# Altium PCB HYDRA_V3_RECOVERY.PcbDoc (part 2 of 2)
Units mm, origin at the board's own origin, x right, y up, seen from the top; angles counter-clockwise.
Board outline 50 x 45 mm, 4 copper layers (Top Layer, PWR, GND, Bottom Layer), stack 0.603 mm thick; 121 components, 86 nets, 492 pads, 118 vias.
Unrouted connection lines stored in the file: 15.
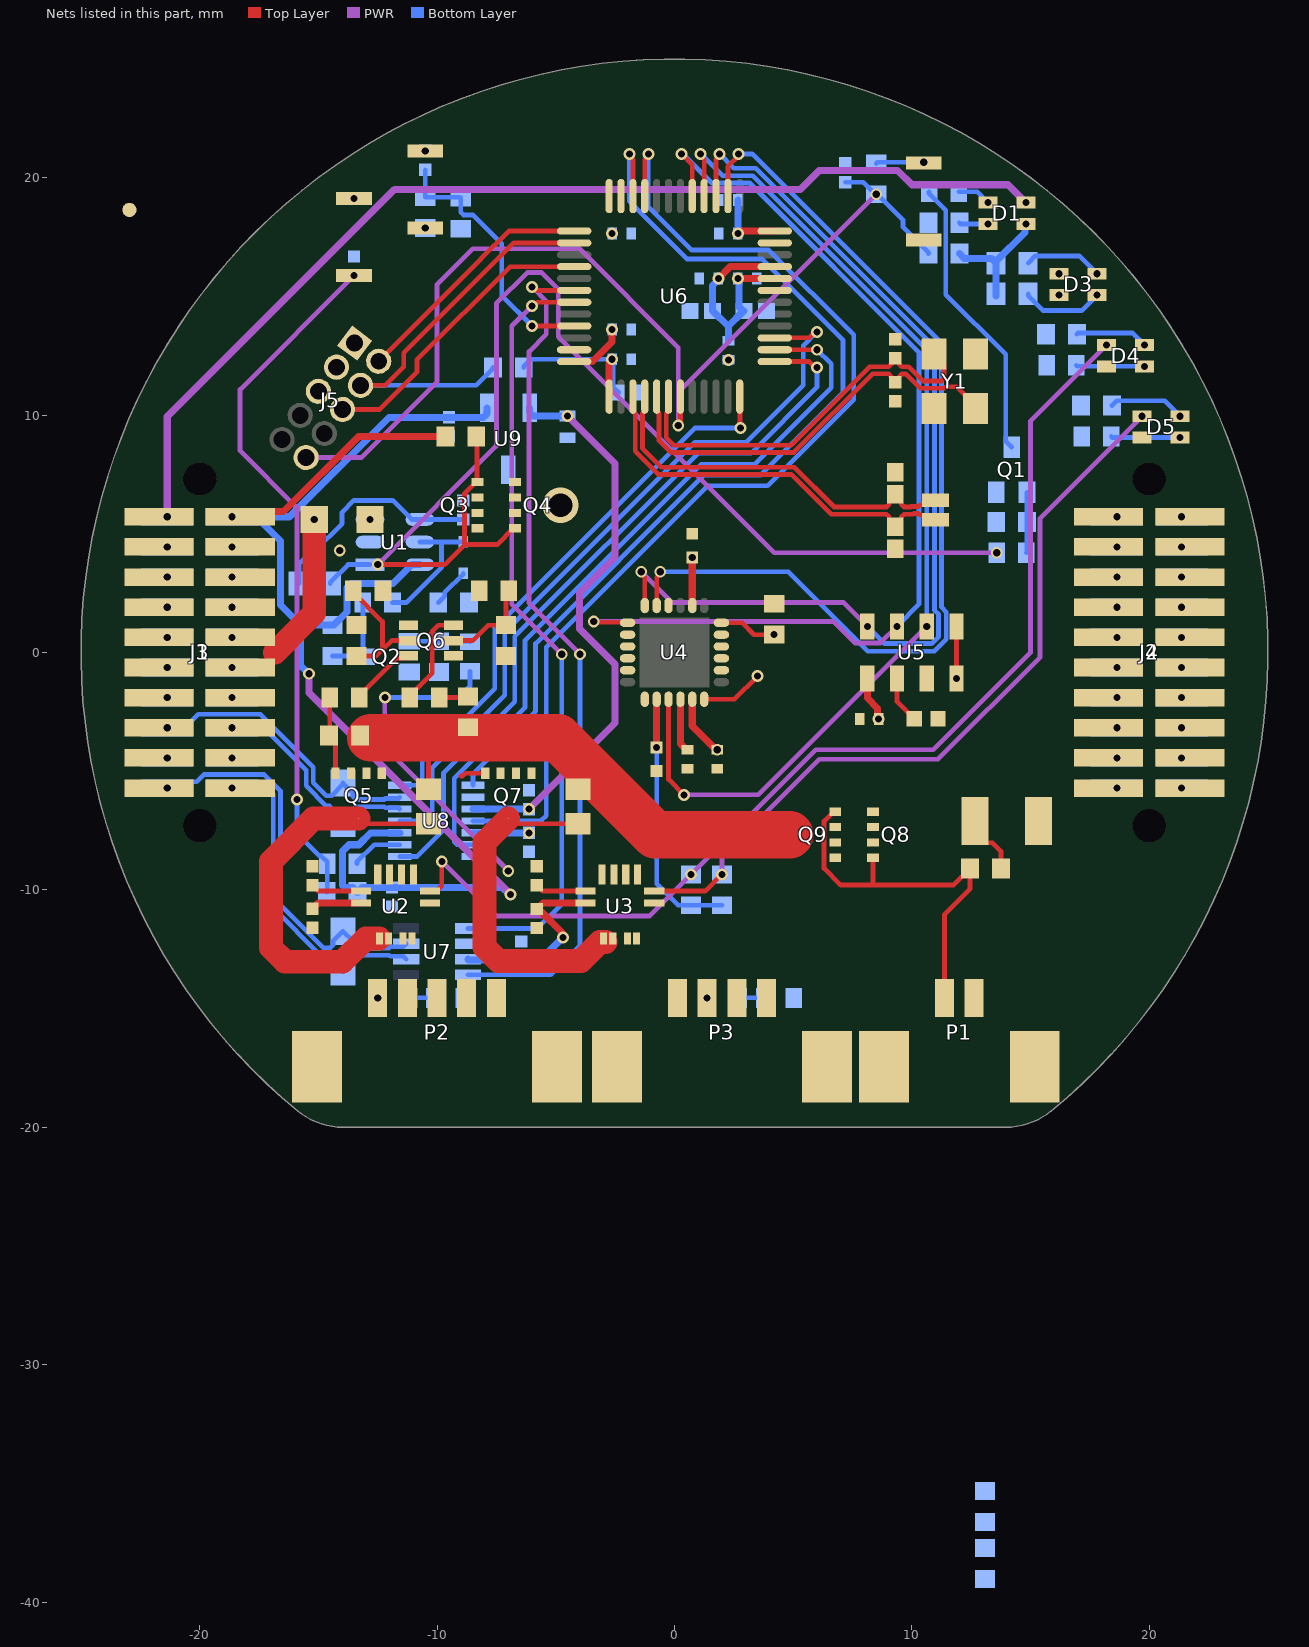
[diagram p4: the nets of this part, all layers, seen from the top]

## Part data (continued)
R38 R40: library part CMP-2000-00213-2, "Chip Resistor, 120 Ohm, +/- 1%, 0.1 W, -55 to 155 degC, 0603 (1608 Metric), RoHS, Tape and Reel", Case Code (Imperial)=0603, Case Code (Metric)=1608, Manufacturer=Panasonic, Max Operating Temperature=155degC, Max Power Dissipation=100mW, Min Operating Temperature=-55degC, Package Description="2-Pin Surface Mount Device, Body 1.6 x 0.85 mm", Package Quantity=1, Resistance=120Ohm, Temperature Coefficient=100ppm/degreesC, Tolerance=1%, Voltage Rating=75V, Case/Package=0603, Composition=ThickFilm, Contact Plating=Tin, Datasheet URL=https://industrial.panasonic.com/cdbs/www-data/pdf/RDA0000/AOA0000C283.pdf, Datasheet Version=42095.0, Depth=0.8mm, Height=0.022inch, Lead Free=LeadFree, Length=1.6mm, Manufacturer URL=http://www.panasonic.com/, Military Standard=Not, Mount=SurfaceMount, Number of Pins=2, Number of Terminations=2, Package Reference=0603, Package URL=http://www.st.com/st-web-ui/static/active/en/resource/technical/document/datasheet/CD00001320.pdf, Packaging=TapeandReel, Power Rating=100mW, Radiation Hardening=No, REACH SVHC=NoSVHC, RoHSCompliant=true, Termination=SMD/SMT, Voltage Rating (DC)=75V, Width=0.031inch
R39 R41: library part CMP-2000-00572-1, Manufacturer=Panasonic, Part Number=ERJ3EKF56R0V
SW1 SW2 SW3: library part CMP-10040-000029-1, "SWITCH TACTILE SPST-NO 0.02A 15V", Current Rating=5A, Flammability Rating="UL94 V-0", Insulation Color=Black, Max Operating Temperature=85°C, Min Operating Temperature=-40°C, Operating Force=240gf, Actuator Type=Standard, Connector Type=USB, Contact Plating=Gold, Gender=Receptacle, Illumination Type=Non-Illuminated, Mechanical Life=500000Cycles, Mount="Surface Mount", Number Of Contacts=24, Number of Ports=1, Packaging="Tape and Reel", Switch Function=Off-Mom, Switch Travel=0.13mm, Termination=Solder, Throw Configuration=SPST
TP1: library part CMP-00025-2, "Test Point .6mm"
U1: library part CMP-04896-000098-1, "40V, RAIL-TO-RAIL INPUT, PUSH-PU"
U2 U3: library part CMP-1557-00001-1, "Hall Effect Linear Current Sensor with Overcurrent Fault Output for <100 V Isolation Applications, 3 to 5.5 V, -15.5 to 15.5 A IP, -40 to 125 degC, 12-Pin QFN (EX), RoHS, Tape and Reel", Temperature Max="125 degC", Temperature Min="-40 degC", -3dB Bandwidth="0.1 MHz", ComponentLink1Description="Manufacturer URL", ComponentLink1URL=http://www.allegromicro.com/, ComponentLink2Description=Datasheet, ComponentLink2URL=http://www.allegromicro.com/~/media/Files/Datasheets/ACS711-Datasheet.ashx?la=en, ComponentLink3Description="Package Specification", ComponentLink3URL=http://www.allegromicro.com/~/media/Files/Datasheets/ACS711-Datasheet.ashx?la=en, DatasheetVersion="Rev. 3", IP Max="15.5 A", IP Min="-15.5 A", Mounting Technology="Surface Mount", PackageDescription="12-Pin Quad Flat No-Lead, Body 3 x 3 mm, Height 0.8 mm", Packing="Tape and Reel", PartNumber=ACS711KEXLT-15AB-T, RoHS=TRUE, VCC Max="5.5 V", VCC Min="3 V"
U4: library part CMP-010-00029-2, "6-axis IMU with extended temperature range and high VRE performance"
U5: library part CMP-2000-05251-1, "Barometric Pressure Sensor, with Stainless Steel Cap, 1.8 to 3.6 V, -45 to 85 degC, 8-Pin QFN, RoHS, Tape and Reel", Manufacturer="Measurement Specialties", Operating Pressure Max=1200mbar, Operating Pressure Min=10mbar, Operating Temperature Max=85degC, Operating Temperature Min=-40degC, Package Description="8-Pin Surface Mount Device, Body 5 x 3 mm, Pitch 1.25 mm", Package Reference=MS561101BA03-50-8, Sensor Case Style=QFN, Supply Current=12.5µA, Supply Voltage Max=3.6V, Supply Voltage Min=1.8V, Connection Size=0.5mm, Datasheet URL=http://www.te.com/commerce/DocumentDelivery/DDEController?Action=srchrtrv&DocNm=MS5611-01BA03&DocType=Data+Sheet&DocLang=English&DocFormat=pdf&PartCntxt=CAT-BLPS0036, Datasheet Version=Sep-15, Manufacturer URL=http://www.meas-spec.com/, No. of Pins=8, Pressure Type=Barometric, SVHC=NoSVHC(20-Jun-2013)
U6: library part CMP-020-00018-2, "RISC Microcontroller, 32-Bit, 170MHz", RoHS Compliant=Yes
U7: library part CMP-04872-000178-1, "IC TRANSCEIVER 1/1 SOT23-8", Case/Package=SOT-23-8, Max Operating Temperature=125°C, Min Operating Temperature=-40°C, Data Rate=1Mbps, Lead Free="Lead Free", Mount="Surface Mount", Packaging="Tape and Reel", RoHS Compliant=Yes
U8: library part CMP-318-000000-2, "Automotive CAN FD transceiver with watchdog, bus diagnostics and partial networking via sele 14-SOT-23-THIN -40 to 150", Component Type=Standard, Design Item ID=CMP-015-00012-2, Pin Count=14, Source=TCAN1146DYYRQ1.SchLib
U9: library part CMP-019-00041-1, "Ldo Cmos Lowcurr SOT23 T&r 3K"
Y1: library part CMP-27762-011708-1, "Crystal 48MHz ±20ppm 18pF SMD-4 3.2mm x 2.5mm", Case/Package=CSMD, ESR (Equivalent Series Resistance)=35R, Frequency=48MHz, Frequency Stability=50ppm, Frequency Tolerance=20ppm, Load Capacitance=18pF, Max Operating Temperature=70°C, Min Operating Temperature=-20°C, Operating Frequency="48 MHz", Package Quantity=1000, Resistor Type=Ceramic, Depth=2.5mm, Height=0.031inch, Lead Free="Lead Free", Length=3.2mm, Mount="Surface Mount", Number of Pins=4, Packaging="Tape and Reel", Radiation Hardening=No, REACH SVHC="No SVHC", RoHS Compliant=Yes, Series=ABM8, Series Resistance=35R, Termination=SMD/SMT, Tolerance=20ppm, Width=0.098inch
Y2: library part CMP-40224-000006-1, "CRYSTAL 32.7680KHZ 12.5PF SMD", Frequency=32.768kHz, Load Capacitance=12.5pF, Manufacturer="ECS International", Package=ECX-1210, Temperature="-40°C to +85°C", Temperature Range High=+85°C, Temperature Range Low=-40°C, Tolerance=20ppm, Automotive=No, Category=Crys, ComponentLink2Description=Datasheet, ComponentLink2URL=https://ecsxtal.com/store/pdf/ECX-1210.pdf, Device Class L1="Passive Components", Device Class L2="Crystals / Oscillators", Device Class L3=Crystals, Digikey Description="CRYSTAL 32.7680KHZ 12.5PF SMD", Esr=90kΩ, Height=0.5mm, Lead Free=Yes, Manufacturer Part Number=ECS-.327-12.5-1210-TR, Octopart=https://octopart.com/ecs-.327-12.5-1210-tr-ecs+international-81221340, RoHS=TRUE, Series=ECX-1210

## Via types
v1: diameter 0.5, hole 0.3, Top Layer to Bottom Layer, 116 vias
v2: diameter 1.5, hole 1, Top Layer to Bottom Layer, 1 vias
v3: diameter 0.5, hole 0.2, Top Layer to Bottom Layer, 1 vias

## Nets (pads, with @x,y where several pads share a name; then routed paths per layer and width w, separated by ;. In a path a pad name is that pad's centre, name@x,y a point inside that pad or via, vN(x,y) a via of type N, cw(c..) or ccw(c..) an arc to the next point about the centre after c; other vN are vias at no path point)
3V3: C3.2 C5.2 C6.1 C7.1 C8.2 C10.2 C11.1 C12.2 C13.2 C14.2 C17.1 C18.2 C21.2 C23.2 C32.2 D1.2 FB1.1 J5.01 Q4.5-6-7-8 R21.2 R29.2 R32.1 R33.1 R34.2 R37.1 R39.2 R41.2 R49.1 SW2.2 U2.12 U3.12 U4.8 U4.11 U4.20 U5.1 U6.1 U6.24 U6.36 U6.48 U7.3 U8.5 | length 47.9
  Top Layer w0.3: C3.2@-15.25,-10.8 -15.002,-10.552 U2.12@-13.2,-10.552 ; v1(-4.7,-12) -4.738,-11.962 -4.738,-11.796 -5.614,-10.92 -5.69,-10.92 C5.2@-5.8,-10.81 -5.542,-10.552 U3.12@-3.75,-10.552 ; U6.48@-4.225,12.25 -3.45,12.25 -2.625,13.075 v1(-2.625,13.6) ; U6.1@-2.75,10.775 -2.75,12.171 -2.625,12.296 v1(-2.625,12.35) ; v1(-0.75,-4) U4.8@-0.75,-1.975 ; U4.11@0.75,-1.975 0.75,-3.1 1.75,-4.1 v1(1.8,-4.1) ; U4.20@0.75,1.975 v1(0.75,4) ; v1(2.675,17.65) 2.729,17.65 2.829,17.75 U6.24@4.225,17.75 ; U5.1@8.125,-1.1 8.125,-1.925 8.557,-2.357 8.557,-2.757 v1(8.6,-2.8)
  Bottom Layer w0.2: R37.1@-6.35,12 -6.35,12.05 -6.05,12.35 v1(-2.625,12.35) ; v1(-0.75,-4) -0.75,-9.75 0.15,-10.65 R21.2@0.7,-10.65 R29.2@2,-10.65
  Bottom Layer w0.3: U7.3@-8.7,-12.925 -8.675,-12.95 -6.472,-12.95 C21.2@-6.447,-12.975 -5.675,-12.975 v1(-4.7,-12) ; U8.5@-8.482,-7.6 v1(-6.125,-7.6) ; v1(-2.625,12.35) -2.625,11.15 -2.425,10.95 C17.1@-2.404,10.95 ; v1(2.675,17.65) C11.1@2.675,19.05 ; R49.1@12,16.8 12.2,16.6 13.35,16.6 R41.2@13.55,16.4 ; R39.2@13.55,15.025 R39.2@13.55,15.1 R41.2@13.55,16.4 ; v1(14.8,18.05) 14.762,18.012 14.762,17.687 13.55,16.475 R41.2@13.55,16.4
  other v1: 2.275,12.325 -2.625,17.65 -10.5,21.125
  other v2: -4.8,6.2
3V3_CUTOFF_MOSFET: Q3.4 Q4.4 R6.2 R12.1 R13.2 U1.1 | length 54.1
  Top Layer w0.2: v1(-12.5,3.7) -9.683,3.7 -8.841,4.541 ; R13.2@-8.35,9.1 -8.32,9.07 -8.32,7.2 Q3.4@-8.295,7.175 ; Q3.4@-8.29,7.175 Q3.4@-8.295,7.175 ; Q4.4@-6.71,5.225 -6.785,5.225 -7.469,4.541 -8.841,4.541 ; -8.841,4.541 -8.841,6.699 -8.365,7.175 Q3.4@-8.295,7.175
  PWR w0.2: v1(-12.5,3.7) -7.5,8.7 -7.5,14.7 -6.2,16 -5.6,16 -4.9,15.3 -4.9,13.3 4.2,4.2 v1(13.575,4.2)
  Bottom Layer w0.2: R12.1@-14.5,2.9 -14.5,2.95 -13.75,3.7 U1.1@-12.825,3.7
3V3_POST_SHUNT: Q3.5-6-7-8 R10.2 U1.3
  other v1: -12.825,5.6
3V3_PRE_SHUNT: J1.09 J1.10 J1.11 J1.12 J3.09 J3.10 J3.11 J3.12 R10.1 R11.2 | length 6.3
  Top Layer w1: -16.825,0 -15.175,1.65 v1(-15.175,5.6)
  other v1: -21.365,-0.635 -18.635,-0.635 -21.365,0.635 -18.635,0.635
5V_INT: C22.2 C27.1 R44.2 U8.3 U9.2 | length 24.3
  PWR w0.3: v1(-6.125,-6.6) -2.5,-2.975 -2.5,-0.5 -4,1 -4,2.5 -2.5,4 -2.5,7.962 v1(-4.5,9.962)
  Bottom Layer w0.3: U8.3@-8.482,-6.6 v1(-6.125,-6.6) ; U9.2@-6.1,10.3 -6.1,10.112 -5.95,9.962 v1(-4.5,9.962)
BARO_MISO: U4.9 U5.6 U6.28 | length 43.9
  Top Layer w0.2: U4.9@-0.25,-1.975 -0.25,-5.35 v1(0.4,-6) ; v1(1.1,21) 1.1,20.919 1.25,20.769 U6.28@1.25,19.225
  PWR w0.2: v1(0.4,-6) 3.525,-6 v1(10.625,1.1)
  Bottom Layer w0.2: v1(1.1,21) 2.025,20.075 3.3,20.075 4.623,18.752 4.625,18.752 10.625,12.752 v1(10.625,1.1)
BARO_MOSI: U4.1 U5.7 U6.29 | length 42.2
  Top Layer w0.2: v1(-3.4,1.3) -3.375,1.275 -2,1.275 U4.1@-1.975,1.25 ; v1(0.3,21) 0.75,20.55 U6.29@0.75,19.225
  PWR w0.2: v1(-3.4,1.3) 6.7,1.3 7.6,0.4 8.675,0.4 v1(9.375,1.1)
  Bottom Layer w0.2: v1(0.3,21) 0.35,21 1.577,19.773 3.175,19.773 10.3,12.648 10.3,2.025 v1(9.375,1.1)
BARO_nCS: U5.4 U5.5 | length 2.2
  Top Layer w0.2: v1(11.875,-1.1) U5.5@11.875,1.1
BARO_SCLK: U4.24 U5.8 U6.27 | length 41.9
  Top Layer w0.2: v1(-1.4,3.4) -1.4,3.319 -1.25,3.169 U4.24@-1.25,1.975 ; U6.27@1.75,19.225 1.75,20.769 1.9,20.919 v1(1.9,21)
  PWR w0.2: v1(-1.4,3.4) -0.1,2.1 7.125,2.1 v1(8.125,1.1)
  Bottom Layer w0.2: v1(1.9,21) 2.5,20.4 3.425,20.4 10.948,12.877 10.948,1.775 11.125,1.598 11.125,0.669 10.831,0.375 8.85,0.375 v1(8.125,1.1)
BOOT: C32.1 R46.1 R48.2 U6.45 | length 11.3
  Top Layer w0.2: v1(-6,13.75) U6.45@-4.225,13.75
  Bottom Layer w0.2: C32.1@-10.5,20.325 R46.1@-10.5,19.175 -9.025,19.175 R48.2@-9,19.15 -9,18.544 -8.883,18.427 -8.491,18.427 -7.274,17.21 -7.274,15.024 v1(-6,13.75)
CAN0_N: J1.16 J3.16 R40.2 U8.12 | length 9.7
  Bottom Layer w0.2: v1(-18.635,-3.175) -18.589,-3.129 -17.659,-3.129 -17.342,-3.129 -15.515,-4.956 -15.515,-5.615 -14.659,-6.471 -14.534,-6.471 -14.387,-6.618 -14.387,-6.775 R40.2@-13.962,-7.2 -13.537,-6.775 -13.537,-6.618 -13.42,-6.501 -12.911,-6.501 ; -12.911,-6.501 -12.233,-6.501 -12.186,-6.547 -11.62,-6.547 U8.12@-11.568,-6.6
CAN0_P: J1.15 J3.15 R40.1 U8.13 | length 12.5
  Bottom Layer w0.2: v1(-21.365,-3.175) -21.095,-2.905 -20.355,-2.905 -20.053,-2.603 -17.441,-2.603 -15.214,-4.831 -15.214,-5.49 -14.67,-6.034 -14.446,-6.034 -13.962,-5.55 R40.1@-13.962,-5.5 -13.537,-5.925 -13.537,-6.082 -13.42,-6.199 -13.036,-6.199 -12.233,-6.199 -12.186,-6.152 -11.62,-6.152 U8.13@-11.568,-6.1
CAN1_N: J1.20 J3.20 R38.1 U7.6 | length 14.1
  Bottom Layer w0.2: v1(-18.635,-5.715) -18.434,-5.514 -17.342,-5.514 -16.902,-5.955 -16.902,-10.762 -14.912,-12.751 -14.505,-12.751 -14.387,-12.868 -14.387,-13.025 R38.1@-13.962,-13.45 -13.537,-13.025 -13.537,-12.868 -13.42,-12.751 -12.806,-12.751 -12.023,-12.751 -11.974,-12.8 -11.425,-12.8 U7.6@-11.3,-12.925
CAN1_P: J1.19 J3.19 R38.2 U7.7 | length 17
  Bottom Layer w0.2: v1(-21.365,-5.715) -21.095,-5.445 -20.13,-5.445 -19.829,-5.143 -17.286,-5.143 -16.6,-5.83 -16.6,-10.637 -14.787,-12.449 -14.505,-12.449 -14.387,-12.332 -14.387,-12.175 R38.2@-13.962,-11.75 -13.537,-12.175 -13.537,-12.332 -13.42,-12.449 -12.931,-12.449 -12.023,-12.449 -11.974,-12.4 -11.425,-12.4 U7.7@-11.3,-12.275
CAN1_RX: U6.33 U8.4 | length 45.2
  Top Layer w0.2: U6.33@-1.25,19.225 -1.25,20.769 -1.1,20.919 v1(-1.1,21)
  Bottom Layer w0.2: U8.4@-8.482,-7.1 -5.625,-7.1 -5.4,-6.875 -5.4,0.225 1.4,7.025 3.925,7.025 7.55,10.65 7.55,13.375 3.975,16.95 0.725,16.95 -1.1,18.775 v1(-1.1,21)
CAN1_TX: U6.34 U8.1 | length 41.9
  Top Layer w0.2: v1(-1.9,21) -1.9,20.919 -1.75,20.769 U6.34@-1.75,19.225
  Bottom Layer w0.2: U8.1@-8.482,-5.6 -8.482,-5.107 -5.85,-2.475 -5.85,0.375 1.25,7.475 3.625,7.475 7.1,10.95 7.1,13.15 3.675,16.575 0.525,16.575 -1.9,19 v1(-1.9,21)
CAN2_RX: U6.42 U7.4 | length 36.2
  Top Layer w0.2: v1(-6,15.4) -5.919,15.4 -5.769,15.25 U6.42@-4.225,15.25
  PWR w0.2: v1(-6,15.4) -5.4,14.8 -5.4,13.4 -6.125,12.675 -6.125,2.075 v1(-3.975,-0.075)
  Bottom Layer w0.2: U7.4@-8.7,-13.575 -5.218,-13.575 -3.975,-12.332 v1@-3.975,-0.1
CAN2_TX: U6.43 U7.1 | length 32.6
  Top Layer w0.2: v1(-6,14.6) -5.919,14.6 -5.769,14.75 U6.43@-4.225,14.75
  PWR w0.2: v1(-6,14.6) -6.85,13.75 -6.85,2.025 v1(-4.75,-0.075)
  Bottom Layer w0.2: U7.1@-8.7,-11.625 -5.775,-11.625 -4.75,-10.6 v1(-4.75,-0.075)
CAN_INH: R5.2 U8.7 | length 15.6
  PWR w0.2: v1(-12.2,-1.9) -12.2,-4 v1(-7,-9.2)
  Bottom Layer w0.2: v1(-12.2,-1.9) -9.1,-1.9 -8.615,-1.415 R5.2@-8.615,-0.8 ; U8.7@-8.482,-8.6 -7.6,-8.6 v1(-7,-9.2)
CAN_MISO: U6.14 U8.6 | length 31.5
  Top Layer w0.2: U6.14@4.225,12.75 v1(6,12.75)
  Bottom Layer w0.2: U8.6@-8.482,-8.1 -9.158,-8.1 -9.275,-7.983 -9.275,-5.3 -6.3,-2.325 -6.3,0.5 1.125,7.925 3.375,7.925 6.6,11.15 6.6,12.15 v1(6,12.75)
CAN_MOSI: U6.15 U8.11 | length 31.6
  Top Layer w0.2: U6.15@4.225,13.25 5.669,13.25 5.919,13.5 v1(6,13.5)
  Bottom Layer w0.2: U8.11@-11.568,-7.1 -10.625,-7.1 -10.2,-6.675 -10.2,-4.85 -7.15,-1.8 -7.15,0.85 0.85,8.85 3.025,8.85 5.425,11.25 5.425,12.925 v1(6,13.5)
CAN_nCS: U6.12 U8.14 | length 23.9
  Top Layer w0.2: U6.12@2.75,10.775 2.762,10.762 2.762,9.463 v1(2.775,9.45)
  Bottom Layer w0.2: U8.14@-11.568,-5.6 -10.742,-5.6 -10.625,-5.482 -10.625,-4.575 -7.575,-1.525 -7.575,1.025 0.85,9.45 v1(2.775,9.45)
CAN_SCLK: U6.13 U8.8 | length 31.5
  Top Layer w0.2: U6.13@4.225,12.25 5.669,12.25 5.919,12 v1(6,12)
  Bottom Layer w0.2: U8.8@-11.568,-8.6 -10.85,-8.6 -9.725,-7.475 -9.725,-5.075 -6.725,-2.075 -6.725,0.675 1,8.4 3.225,8.4 6,11.175 v1(6,12)
DROGUE_I_SENSE: C4.2 U3.11 | length 2.2
  Top Layer w0.2: C4.2@-5.8,-9.81 -5.558,-10.052 U3.11@-3.75,-10.052
DROGUE_MATCH: P3.1 P3.2 R22.2 U3.3 U3.4
  other v1: 1.375,-14.55
DROGUE_nFAULT: D5.4 R29.1 U3.6 | length 32.9
  Top Layer w0.2: U3.6@-0.85,-10.052 1.298,-10.052 v1(2,-9.35) v1@2.108,-9.242
  PWR w0.2: v1(2,-9.35) 2,-8.6 6.1,-4.5 11.1,-4.5 15.4,-0.2 15.4,5.65 v1(19.7,9.95)
DROGUE_SENSE: R22.1 R25.2 | length 1.1
  Bottom Layer w0.2: R22.1@2.675,-14.55 3.75,-14.55 R25.2@3.8,-14.5
DROGUE_TRIG: R27.1 R31.1
GND: C1.2 C2.1 C3.1 C4.1 C5.1 C6.2 C7.2 C8.1 C9.1 C10.1 C11.2 C12.1 C13.1 C14.1 C15.2 C16.1 C17.2 C18.1 C19.2 C20.1 C21.1 C22.1 C23.1 C24.1 C25.1 C26.2 C27.2 C28.2 C29.2 C30.2 C31.1 C33.2 D4.1 D5.1 J1.07 J1.08 J1.13 J1.14 J1.17 J1.18 J2.01 J2.02 J2.03 J2.04 J2.05 J2.06 J2.07 J2.08 J2.09 J2.10 J2.11 J2.12 J3.07 J3.08 J3.13 J3.14 J3.17 J3.18 J4.01 J4.02 J4.03 J4.04 J4.05 J4.06 J4.07 J4.08 J4.09 J4.10 J4.11 J4.12 J5.03 J5.05 P1.2 P1.MP1 P1.MP2 P2.3 P2.4 P2.5 P2.MP1 P2.MP2 P3.3 P3.4 P3.MP1 P3.MP2 Q1.2 Q2.2 Q6.1 Q6.4 R1.2 R7.1 R8.1 R9.1 R17.1 R20.1 R25.1 R28.1 R35.1 R45.2 R48.1 SW1.2 SW3.2 U1.2 U2.5 U2.7 U2.8 U2.9 U2.10 U3.5 U3.7 U3.8 U3.9 U3.10 U4.2 U4.3 U4.4 U4.5 U4.7 U4.14 U4.15 U4.16 U4.17 U4.22 U5.3 U6.19 U6.23 U6.35 U6.47 U7.2 U8.2 U9.3 Y1.2 Y1.4
  other v1: -21.365,-4.445 -18.635,-4.445 -21.365,-1.905 -18.635,-1.905 18.635,-0.635 21.365,-0.635 18.635,0.635 21.365,0.635 -21.365,1.905 -18.635,1.905 18.635,1.905 21.365,1.905 18.635,3.175 21.365,3.175 -14.1,4.3 18.635,4.445 21.365,4.445 18.635,5.715 21.365,5.715 -13.5,19.125
IMU_nCS: U4.23 U6.26 | length 41.5
  Top Layer w0.2: U4.23@-0.75,1.975 -0.75,3.169 -0.6,3.319 v1(-0.6,3.4) ; U6.26@2.25,19.225 2.25,20.469 2.7,20.919 v1(2.7,21)
  Bottom Layer w0.2: v1(-0.6,3.4) 4.8,3.4 8.15,0.05 10.95,0.05 11.45,0.55 11.45,1.7 11.25,1.9 11.25,13.025 3.275,21 v1(2.7,21)
IMU_nRESET: R34.1 U4.18 | length 2.4
  Top Layer w0.2: U4.18@1.975,1.25 2.85,1.25 3.35,0.75 v1(4.2,0.75)
IMU_ODR: U4.12 | length 2.7
  Top Layer w0.2: U4.12@1.25,-1.975 2.525,-1.975 v1(3.5,-1)
INT_5V_SENSE: R44.1 R45.1
MAIN_I_SENSE: C2.2 U2.11 | length 2.2
  Top Layer w0.2: C2.2@-15.25,-9.8 -14.998,-10.052 U2.11@-13.2,-10.052
MAIN_MATCH: P2.1 P2.2 R14.2 U2.3 U2.4
  other v1: -12.5,-14.55
MAIN_nFAULT: D4.4 R21.1 U2.6 | length 46.2
  Top Layer w0.2: U2.6@-10.3,-10.052 -10.025,-10.052 -9.8,-9.827 v1(-9.8,-8.8)
  PWR w0.2: v1(-9.8,-8.8) -7.5,-11.1 -1.05,-11.1 5.95,-4.1 10.9,-4.1 15,0 15,9.75 v1(18.2,12.95)
  other v1: 0.7,-9.35
MAIN_SENSE: R14.1 R17.2 | length 1.1
  Bottom Layer w0.2: R14.1@-11.2,-14.55 R17.2@-10.125,-14.55
MAIN_TRIG: R19.1 R30.1
MCU_G_LED: D3.1
  other v1: 16.2,15.05
MCU_R_LED: D3.4
  other v1: 16.2,15.95
nARM_PYRO: P1.1 Q8.4 Q9.4 R36.2 | length 16.4
  Top Layer w0.2: Q9.4@6.775,-6.705 6.7,-6.705 6.3,-7.105 6.3,-9.1 7,-9.8 8.4,-9.8 ; Q8.4@8.365,-8.655 8.365,-9.765 8.4,-9.8 ; P1.1@11.375,-14.55 11.375,-11.025 12.45,-9.95 R36.2@12.45,-9.15 ; R36.2@12.45,-9.1 R36.2@12.45,-9.15 ; 8.4,-9.8 11.75,-9.8 12.125,-9.425 12.175,-9.425 R36.2@12.45,-9.15
NetC1_1: C1.1 R11.1 R12.2 U1.4 | length 9.4
  Bottom Layer w0.2: R12.2@-15.8,2.9 -15.8,3.725 -15.225,4.3 R11.1@-15.175,4.3 -15.125,4.3 -14,5.425 -14,5.9 -13.5,6.4 -11.862,6.4 -11.062,5.6 U1.4@-10.724,5.6 C1.1@-8.9,5.6
NetC9_2: C9.2 U4.10 | length 2.3
  Top Layer w0.3: U4.10@0.25,-1.975 0.25,-3.85 0.5,-4.1 C9.2@0.55,-4.1
NetC25_2: C25.2 R42.2 R43.2 SW1.1 TP1.1 | length 29.5
  PWR w0.2: v1(-15.9,-6.2) -15.9,6.1 -18.3,8.5 -18.3,11.075 v1(-13.5,15.875)
  Bottom Layer w0.2: v1(-15.9,-6.2) -15.9,-7.625 -14.95,-8.575 -14.875,-8.575 -14.625,-8.825 -14.625,-10.075 R42.2@-14.65,-10.1
NetD1_1: D1.1 R1.1 | length 1.2
  Bottom Layer w0.2: R1.1@12,18.1 12.05,18.05 v1(13.2,18.05)
NetD1_4: D1.4 R4.2 | length 1.4
  Bottom Layer w0.2: R4.2@11.975,19.4 12.75,19.4 v1(13.2,18.95)
NetD2_2: D2.2 R9.2 | length 1.7
  Bottom Layer w0.2: R9.2@-9.95,2.1 -9.675,2.375 -9.675,2.525 -8.9,3.3 D2.2@-8.9,3.34
NetD3_2: D3.2 R39.1 | length 3.5
  Bottom Layer w0.2: R39.1@14.9,15.1 14.9,15.025 15.525,14.4 17.15,14.4 v1(17.8,15.05)
NetD3_3: D3.3 R41.1 | length 3.3
  Bottom Layer w0.2: R41.1@14.9,16.4 15.2,16.7 17.05,16.7 v1(17.8,15.95)
NetD4_2: D4.2 R30.2 | length 2.9
  Bottom Layer w0.2: R30.2@16.925,12.1 16.975,12.05 v1(19.8,12.05)
NetD4_3: D4.3 R32.2 | length 3.1
  Bottom Layer w0.2: R32.2@16.95,13.4 17,13.45 19.3,13.45 v1(19.8,12.95)
NetD5_2: D5.2 R31.2 | length 2.9
  Bottom Layer w0.2: R31.2@18.4,9.1 18.45,9.05 v1(21.3,9.05)
NetD5_3: D5.3 R33.2 | length 3.2
  Bottom Layer w0.2: R33.2@18.425,10.4 18.625,10.6 20.65,10.6 v1(21.3,9.95)
NetQ1_1: Q1.1 R6.1 R8.2 | length 2.6
  Bottom Layer w0.2: R6.1@14.825,4.2 14.85,4.225 Q1.1@14.85,6.75
NetQ1_3: Q1.3 R4.1 | length 12.2
  Bottom Layer w0.2: R4.1@10.725,19.4 10.725,19.325 11.423,18.627 11.423,15.077 13.95,12.55 13.95,8.9 Q1.3@14.2,8.65
NetQ2_1: Q2.1 R5.1 R7.2 | length 2.6
  Bottom Layer w0.2: Q2.1@-11.165,0.475 -8.64,0.475 R5.1@-8.615,0.45
NetQ2_3: Q2.3 R2.1 R3.1 | length 3.6
  Bottom Layer w0.2: R2.1@-14.4,-0.15 -13.09,-0.15 -13.125,-0.115 R3.1@-13.125,2.1
NetQ3_1: Q3.1 Q3.2 Q3.3 Q4.1 Q4.2 Q4.3
NetQ5_4: Q5.4 R15.2 R18.2 | length 3.3
  Top Layer w0.2: R15.2@-14.525,-1.9 -14.525,-3.475 R18.2@-14.55,-3.5 -14.275,-3.775 Q5.4@-14.275,-5.09
NetQ6_2: Q6.2 R19.2 R20.2 | length 4
  Top Layer w0.2: Q6.2@-9.3,0.5 -8.5,0.5 -7.85,1.15 R20.2@-7.1,1.15 -7.1,2.475 R19.2@-6.975,2.6
NetQ6_3: Q6.3 R23.1 | length 4.2
  Top Layer w0.2: R23.1@-11.15,-1.9 -11.15,-1.825 -10.2,-0.875 -10.2,0.9 -9.95,1.15 Q6.3@-9.3,1.15
NetQ6_5: Q6.5 R27.2 R28.2 | length 5.5
  Top Layer w0.2: R27.2@-13.525,2.6 -13.525,2.525 -12.3,1.3 -12.3,0.113 ; R28.2@-13.4,-0.15 -12.562,-0.15 -12.3,0.113 ; Q6.5@-11.2,0.5 -11.913,0.5 -12.3,0.113
NetQ6_6: Q6.6 R15.1 | length 2.8
  Top Layer w0.2: R15.1@-13.275,-1.9 -13.275,-1.825 -11.7,-0.25 -11.3,-0.25 Q6.6@-11.2,-0.15
NetQ7_4: Q7.4 R23.2 R26.2 | length 2.3
  Top Layer w0.2: R23.2@-9.875,-1.9 -8.75,-1.9 R26.2@-8.7,-1.85 ; -9,-5.2 -8.919,-5.2 -8.809,-5.09 Q7.4@-7.975,-5.09
NetQ8_1: Q8.1 Q8.2 Q8.3 Q9.1 Q9.2 Q9.3
NetR35_2: R35.2 U5.2 | length 2
  Top Layer w0.2: U5.2@9.375,-1.1 9.375,-2.075 R35.2@10.1,-2.8
NetR43_1: R43.1 U8.9 | length 2.2
  Bottom Layer w0.2: R43.1@-13.375,-8.9 -13.375,-8.825 -12.65,-8.1 U8.9@-11.568,-8.1
NetR46_2: R46.2 SW2.1
  other v1: -10.5,17.875
NetR47_2: R47.2 SW3.1 | length 2
  Bottom Layer w0.2: R47.2@8.5,20.6 8.55,20.65 v1(10.5,20.65)
NOT_USED: J1.03 J1.04 J1.05 J1.06 J3.03 J3.04 J3.05 J3.06
  other v1: -21.365,3.175 -18.635,3.175 -21.365,4.445 -18.635,4.445
PRE_DROGUE_MATCH: Q7.5-6-7-8 R24.2 U3.1 U3.2 | length 14.5
  Top Layer w0.2: Q7.5-6-7-8@-7,-7 -6.785,-7.215 R24.2@-4.062,-7.215
  Top Layer w1: Q7.5-6-7-8@-7,-7 -8,-8 -8,-12.414 -7.414,-13 -3.934,-13 -3.136,-12.202 U3.1@-2.9,-12.202
PRE_MAIN_MATCH: Q5.5-6-7-8 R16.2 U2.1 U2.2 | length 16.3
  Top Layer w0.2: -13.085,-7.215 R16.2@-10.363,-7.215
  Top Layer w0.3: Q5.5-6-7-8@-13.3,-7 -13.085,-7.215
  Top Layer w1: Q5.5-6-7-8@-13.3,-7 -15.2,-7 -17,-8.8 -17,-12.439 -16.414,-13.025 -13.975,-13.025 -12.998,-12.048 U2.1@-12.432,-12.048
PRE_PYRO_PWR: F1.1 J2.13 J2.14 J2.15 J2.16 J2.17 J2.18 J2.19 J2.20 J4.13 J4.14 J4.15 J4.16 J4.17 J4.18 J4.19 J4.20
  other v1: 18.635,-5.715 21.365,-5.715 18.635,-4.445 21.365,-4.445 18.635,-3.175 21.365,-3.175 18.635,-1.905 21.365,-1.905
PYRO_PWR: F1.2 Q8.5-6-7-8 R36.1 | length 2.6
  Top Layer w0.2: F1.2@12.666,-7.1 12.666,-7.545 13.138,-8.016 13.391,-8.016 13.75,-8.375 R36.1@13.75,-9.1
PYRO_PWR_SW: Q5.1 Q5.2 Q5.3 Q7.1 Q7.2 Q7.3 Q9.5-6-7-8 R16.1 R18.1 R24.1 R26.1 | length 22.3
  Top Layer w0.2: Q5.1@-12.325,-5.09 -12.325,-5.015 Q5.1@-12.25,-4.94 ; R16.1@-10.788,-5.415 -10.438,-5.765 R16.1@-10.363,-5.765 -10.363,-3.6
  Top Layer w2: -12.8,-3.6 -10.363,-3.6 -9.1,-3.6 -6.8,-3.6 -4.9,-3.6 -3.399,-5.101 -0.82,-7.68 Q9.5-6-7-8@4.865,-7.68
RESETN: C33.1 J5.10 R47.1 R49.2 U6.7 | length 44.7
  Top Layer w0.2: v1(0.159,9.566) 0.159,9.647 0.25,9.738 U6.7@0.25,10.775
  PWR w0.2: J5.10@-15.514,8.207 -13.193,8.207 -10,11.4 -10,15.5 -8.5,17 -4,17 0.159,12.841 0.159,10.959 ; v1(0.159,9.566) 0.159,10.959 ; v1(8.5,19.3) 0.159,10.959
  Bottom Layer w0.2: C33.1@7.2,19.8 7.95,19.8 8.45,19.3 v1(8.5,19.3) 8.55,19.3 9.625,18.225 9.625,17.925 10.7,16.85 R49.2@10.7,16.8
SHDN_3V3: D2.1 R3.2 U1.5 | length 5.6
  Bottom Layer w0.2: R3.2@-11.875,2.1 -11.3,2.1 -9.812,3.588 -9.812,4.655 ; U1.5@-10.724,4.65 -10.719,4.655 -9.812,4.655 ; D2.1@-8.9,4.66 -8.905,4.655 -9.812,4.655
SWCLK: J5.04 R37.2 U6.38 | length 17.7
  Top Layer w0.2: J5.04@-13.221,11.25 -12.175,11.25 -11.4,12.025 -11.4,12.625 -6.775,17.25 U6.38@-4.225,17.25
  Bottom Layer w0.2: J5.04@-13.221,11.25 -8.35,11.25 -7.65,11.95 R37.2@-7.65,12
SWDIO: J5.02 U6.37 | length 10.5
  Top Layer w0.2: J5.02@-12.457,12.264 -8.15,16.571 -8.15,16.575 -6.975,17.75 U6.37@-4.225,17.75
SWO: J5.06 U6.40 | length 12.6
  Top Layer w0.2: J5.06@-13.986,10.236 -12.414,10.236 -10.85,11.8 -10.85,12.325 -6.925,16.25 U6.40@-4.225,16.25
VCC: C24.2 C31.2 D1.3 J1.01 J1.02 J3.01 J3.02 R2.2 R13.1 R42.1 U1.6 U8.10 U9.1 | length 107.7
  Top Layer w0.3: J3.02@-18.285,5.715 -18.065,5.935 -16.465,5.935 -13.3,9.1 R13.1@-9.65,9.1
  PWR w0.3: v1(-21.365,5.715) -21.365,9.935 -11.8,19.5 5.3,19.5 6.1,20.3 9.4,20.3 10,19.7 14.05,19.7 v1(14.8,18.95) ; v1(-15.4,-0.9) -15.4,-1.7 v1(-6.9,-10.2)
  Bottom Layer w0.3: v1(-15.4,-0.9) -15.75,-0.55 -15.75,1.15 ; U8.10@-11.568,-7.6 -12.8,-7.6 -13.3,-8.1 -13.706,-8.1 -13.977,-8.371 -13.977,-9.823 -13.9,-9.9 -13.55,-9.9 R42.1@-13.35,-10.1 -13.15,-9.9 C24.2@-11.9,-9.9 -7.254,-9.9 -6.954,-10.2 v1(-6.9,-10.2) ; U1.6@-10.724,3.7 -11.062,3.7 -11.862,2.9 -13.616,2.9 -13.791,2.724 -13.791,1.709 -14.35,1.15 R2.2@-14.4,1.15 -15.75,1.15 ; U9.1@-7.9,10.3 -7.9,10.05 -8.05,9.9 C31.2@-9.5,9.9 -12.031,9.9 -16.216,5.715 v1(-18.635,5.715) -18.415,5.495 -17.395,5.495 -16.6,4.7 -16.6,2 -15.75,1.15
VDDA: C15.1 C16.2 C19.1 C20.2 FB1.2 U6.20 U6.21 | length 9.6
  Top Layer w0.3: v1(1.85,15.75) 2.35,16.25 U6.21@4.225,16.25 ; v1(2.675,15.75) U6.20@4.225,15.75
  Bottom Layer w0.3: v1(1.85,15.75) 1.85,15.7 1.604,15.454 C19.1@1.604,14.375 1.625,14.375 2.275,13.725 ; FB1.2@2.275,13.125 2.275,13.725 ; v1(2.675,15.75) 2.714,15.711 2.714,14.561 C15.1@2.9,14.375 ; 2.275,13.725 2.275,13.75 C15.1@2.9,14.375 ; C15.1@2.9,14.375 C15.1@2.921,14.375 C15.1@2.9,14.375
X32_N: C30.1 U6.4 Y2.2 | length 16.3
  Top Layer w0.2: U6.4@-1.25,10.775 -1.25,10.173 -1.349,10.074 -1.349,8.599 -0.552,7.802 5.048,7.802 6.724,6.126 8.927,6.126 9.044,6.243 9.044,6.403 C30.1@9.3,6.659 9.556,6.403 9.556,6.243 9.673,6.126 9.937,6.126 9.962,6.151 10.282,6.151 10.356,6.225 10.812,6.225 Y2.2@11,6.413
X32_P: C29.1 U6.3 Y2.1 | length 16.8
  Top Layer w0.2: U6.3@-1.75,10.775 -1.75,10.173 -1.651,10.074 -1.651,8.474 -0.677,7.5 4.923,7.5 6.599,5.824 8.927,5.824 9.044,5.707 9.044,5.547 C29.1@9.3,5.291 9.556,5.547 9.556,5.707 9.673,5.824 10.062,5.824 10.087,5.849 10.282,5.849 10.356,5.775 10.812,5.775 Y2.1@11,5.587
X_N: C28.1 U6.6 Y1.1 | length 16.9
  Top Layer w0.2: U6.6@-0.25,10.775 -0.25,10.173 -0.349,10.074 -0.349,9.051 -0.025,8.727 4.909,8.727 8.218,12.036 9.023,12.036 9.14,12.153 9.14,12.225 C28.1@9.3,12.385 9.46,12.225 9.46,12.153 9.58,12.033 9.868,12.033 10.473,11.428 11.247,11.428 11.364,11.545 11.364,11.745 11.35,11.759 11.35,12.15 Y1.1@10.925,12.575
X_P: C26.1 U6.5 Y1.3 | length 17.9
  Top Layer w0.2: U6.5@-0.75,10.775 -0.75,10.173 -0.651,10.074 -0.651,8.926 -0.15,8.425 5.034,8.425 8.343,11.734 9.023,11.734 9.14,11.617 9.14,11.545 C26.1@9.3,11.385 9.46,11.545 9.46,11.614 9.577,11.731 9.743,11.731 10.348,11.127 11.372,11.127 11.437,11.192 11.883,11.192 12.675,10.4 Y1.3@12.675,10.275
pads on no net: J1. J2. J3. J4. J5.07 J5.08 J5.09 U4.6 U4.13 U4.19 U4.21 U4.25 U6.2 U6.8 U6.9 U6.10 U6.11 U6.16 U6.17 U6.18 U6.22 U6.25 U6.30 U6.31 U6.32 U6.39 U6.41 U6.44 U6.46 U7.5 U7.8
copper on no net:
  other v3: 0,0

## Polygon pours and split planes (outlines as drawn)
NOT_USED on Top Layer "NOT_USED_L01_P051" (solid, pour order 51): -23.175,4.815 -16.825,4.815 -16.825,2.805 -23.175,2.805
3V3_PRE_SHUNT on Top Layer "3V3_PRE_SHUNT_L01_P052" (solid, pour order 52): -23.175,1.005 -16.825,1.005 -16.825,-1.005 -23.175,-1.005
NetQ3_1 on Top Layer "NETQ3_1_L01_P048" (solid, pour order 48): -8.54,6.7 -8.04,6.7 -6.95,7.35 -6.45,7.35 -6.45,5.7 -6.95,5.7 -8.04,5.05 -8.54,5.05
PRE_PYRO_PWR on Top Layer "PRE_PYRO_PWR_L01_P045" (solid, pour order 45): 14.762,-6.084 16.825,-1.535 23.175,-1.535 23.175,-6.085 20,-6.085 15.905,-8.116 14.762,-8.116
PYRO_PWR on Top Layer "PYRO_PWR_L01_P044" (solid, pour order 44): 13.238,-6.084 12.095,-6.084 9.135,-6.455 9.135,-8.905 11.115,-8.905 12.095,-8.116 13.238,-8.116
NetQ8_1 on Top Layer "NETQ8_1_L01_P042" (solid, pour order 42): 6.525,-7.18 7.025,-7.18 8.115,-6.53 8.615,-6.53 8.615,-8.18 8.115,-8.18 7.025,-8.83 6.525,-8.83
PYRO_PWR_SW on Top Layer "PYRO_PWR_SW_L01_P034" (solid, pour order 34): -13.8,-5.34 -13.8,-2.6 -12.15,-2.6 -12.15,-5.34
PYRO_PWR_SW on Top Layer "PYRO_PWR_SW_L01_P017" (solid, pour order 17): -7.5,-5.34 -7.5,-4.3 -5.9,-4.3 -5.85,-4.35 -5.85,-5.34
DROGUE_MATCH on Top Layer "DROGUE_MATCH_L01_P037" (solid, pour order 37): -2.2,-11.402 -2.2,-12.702 -0.275,-15.35 1.775,-15.35 1.775,-13.75 -1.4,-11.402
MAIN_MATCH on Top Layer "MAIN_MATCH_L01_P040" (solid, pour order 40): -10.85,-15.35 -12.9,-15.35 -12.9,-13.75 -12.5,-13.75 -11.65,-12.702 -11.65,-11.402 -10.85,-11.402 -10.85,-13.75
GND on Top Layer "GND_L01_P046" (solid, pour order 46): -15.886,-19.366 ccw(c-13.96,-17) -13.96,-20.05 13.96,-20.05 ccw(c13.96,-17) 15.886,-19.366 15.9,-19.357 ccw(c0,0) 25.05,0 ccw(c0,0)
no net on Top Layer "NONET_L01_P047" (solid, pour order 47): 8.85,1.625 8.85,1.125 9.525,0.55 9.525,0.05 11.175,0.05 11.175,0.55 10.5,1.125 10.5,1.625
3V3 on PWR "3V3_L02_P056" (solid, pour order 56): -15.886,-19.366 ccw(c-13.96,-17) -13.96,-20.05 13.96,-20.05 ccw(c13.96,-17) 15.886,-19.366 15.9,-19.357 ccw(c0,0) 25.05,0 ccw(c0,0)
PRE_PYRO_PWR on PWR "PRE_PYRO_PWR_L02_P008" (solid, pour order 8): 16.833,-1.543 23.167,-1.543 23.167,-6.077 23.175,-6.085 16.825,-6.085
NOT_USED on PWR "NOT_USED_L02_P010" (solid, pour order 10): -23.175,4.815 -16.825,4.815 -16.825,2.805 -23.175,2.805
VCC on PWR "VCC_L02_P009" (solid, pour order 9): -23.175,6.085 -16.825,6.085 -16.825,5.345 -23.175,5.345
3V3_PRE_SHUNT on PWR "3V3_PRE_SHUNT_L02_P021" (solid, pour order 21): -23.175,1.005 -16.825,1.005 -16.825,-1.005 -23.175,-1.005
PRE_PYRO_PWR on Bottom Layer "PRE_PYRO_PWR_L04_P020" (solid, pour order 20): 16.833,-1.543 23.167,-1.543 23.167,-6.077 23.175,-6.085 16.825,-6.085
NOT_USED on Bottom Layer "NOT_USED_L04_P054" (solid, pour order 54): -23.175,4.815 -16.825,4.815 -16.825,2.805 -23.175,2.805
3V3_PRE_SHUNT on Bottom Layer "3V3_PRE_SHUNT_L04_P058" (solid, pour order 58): -23.175,1.005 -16.825,1.005 -16.825,-1.005 -23.175,-1.005
GND on Bottom Layer "GND_L04_P053" (solid, pour order 53): -15.886,-19.366 ccw(c-13.96,-17) -13.96,-20.05 13.96,-20.05 ccw(c13.96,-17) 15.886,-19.366 15.9,-19.357 ccw(c0,0) 25.05,0 ccw(c0,0)
PRE_PYRO_PWR on GND "PRE_PYRO_PWR_L03_P019" (solid, pour order 19): 16.833,-1.543 23.167,-1.543 23.167,-6.077 23.175,-6.085 16.825,-6.085
NOT_USED on GND "NOT_USED_L03_P050" (solid, pour order 50): -23.175,4.815 -16.825,4.815 -16.825,2.805 -23.175,2.805
3V3_PRE_SHUNT on GND "3V3_PRE_SHUNT_L03_P057" (solid, pour order 57): -23.175,1.005 -16.825,1.005 -16.825,-1.005 -23.175,-1.005
GND on GND "GND_L03_P049" (solid, pour order 49): -15.886,-19.366 ccw(c-13.96,-17) -13.96,-20.05 13.96,-20.05 ccw(c13.96,-17) 15.886,-19.366 15.9,-19.357 ccw(c0,0) 25.05,0 ccw(c0,0)

## Silkscreen, mask and mechanical layers (free items; w line width, h text height)
Top Overlay:
  region: 980 vertices and 2 holes, not listed, extent 14.33,-15.265 19.53,-8.999
  text "RST" at 9.45,21.25 h0.75
  text "BT" at -13.35,19.9 h0.75
  text "PWR" at 12.15,19.65 h0.75
  text "MCU" at -6.35,19.55 h0.75
  text "MCU" at 15.65,16.65 h0.75
  text "WA / KE" at -16.5,16.3 h0.75
  text "MAIN" at 17.35,13.65 h0.75
  text "DROGUE" at 17.65,10.65 h0.75
  text "DBG" at -22.29,10.53 h0.75 r323
  text "HYDRA_V3_RECOVERY" at 0.15,-11.725 h0.75
  text "Designed with pyromania" at 0.1,-12.733 h0.5

## Text inside footprints (layer, text, board x,y; h text height)
U8: Bottom Overlay "*" at -7.91,-5.422 h1.27; Bottom 3D Body "*" at -9.034,-6.3 h1.27